# KiCad board Intro-to-CAD-2026 Shaina and Paola.kicad_pcb (continued)
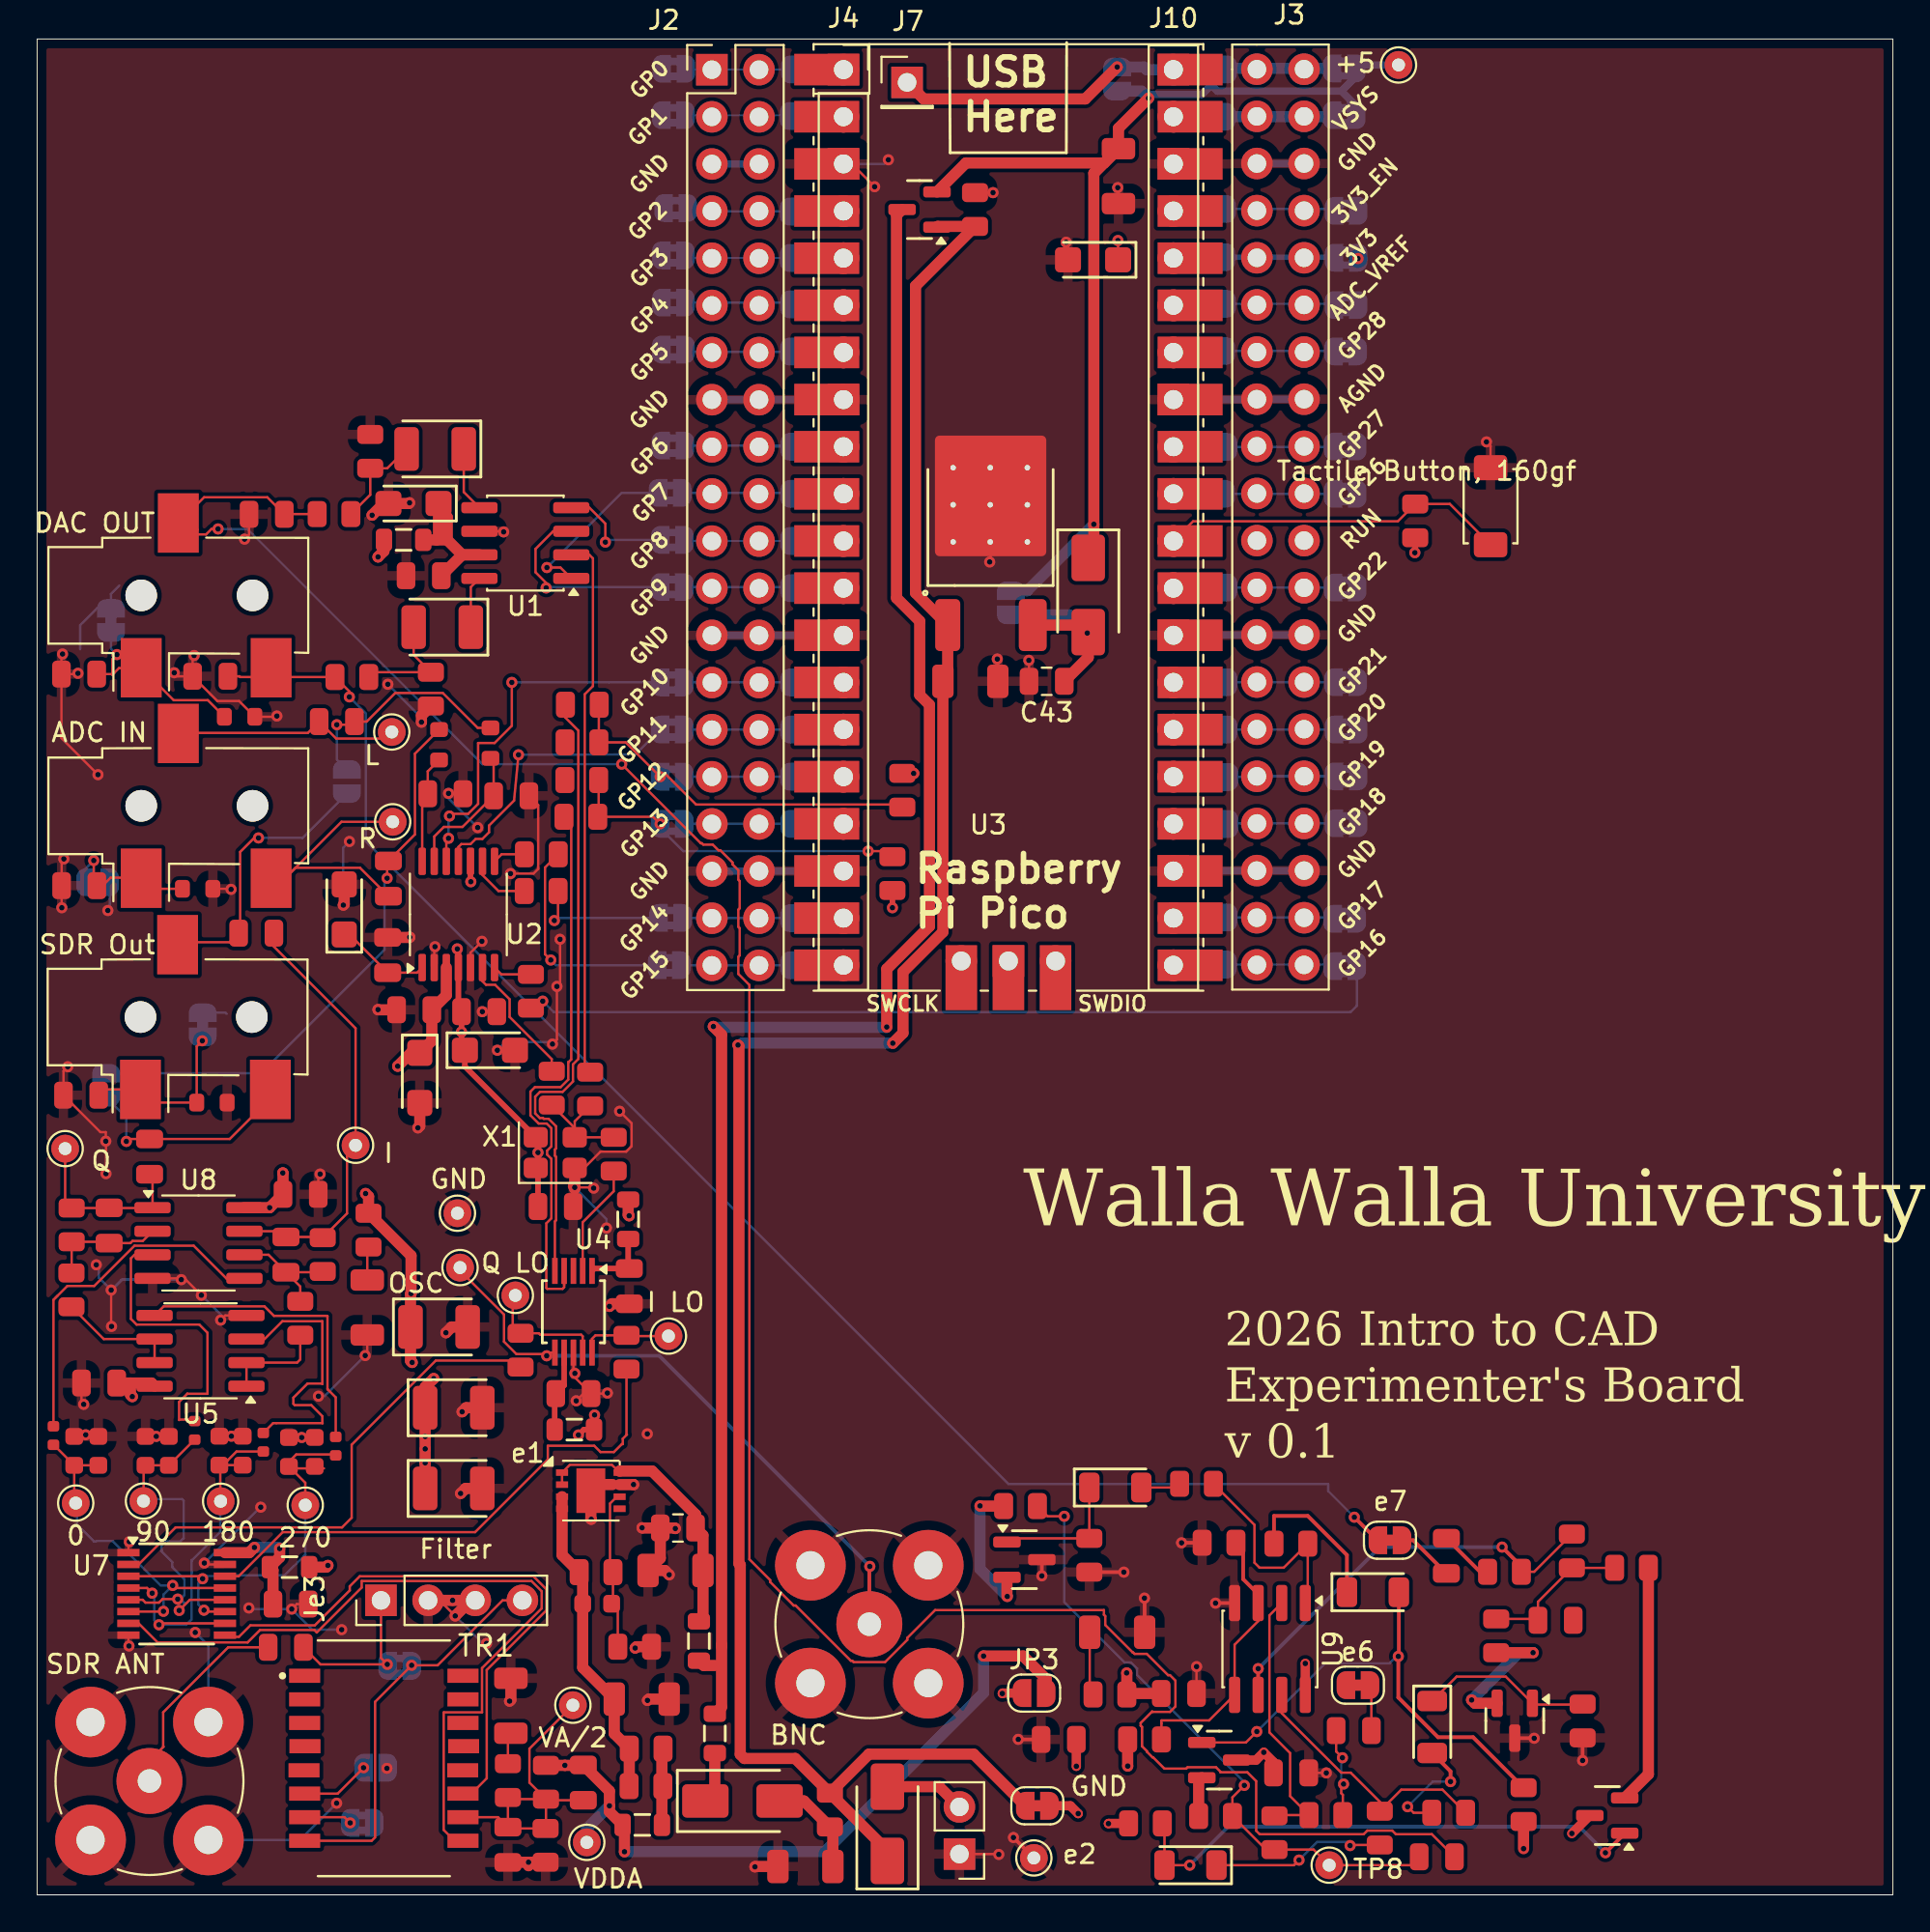
[diagram p0: board, top side]
## Routing (per net, layer and track width the routed paths; a pad name or vN(x,y) marks a point on that pad's centre or on a via; arc(x,y) is an arc through that point) (continued)
/SDIN: length 9.2
  Top w0.127: U1.1 28.2,71.52 v1(27.47,71.52)
  Bottom w0.127: JP75.2 31.49,75.54 v1(27.47,71.52)
/Si5351a/CLK2: length 33.5
  Top w0.127: TP5.1 22.79,33.64 25.16,31.27 25.16,29.81 25.83,29.14 27.36,29.14 v1(27.46,29.05) 27.46,29.06 27.62,29.22 U4.6
  Top w0.2: J8.1 44.84,17.67 v1(44.87,17.7)
  Bottom w0.127: 27.58,28.92 v1(27.46,29.05)
  Bottom w0.2: v1(44.87,17.7) 33.52,29.05 v1(27.46,29.05)
/WS: length 47.2
  Top w0.127: v1(27.25,48.16) 26.87,47.78 R16.2
  Bottom w0.127: JP34.1 71.11,47.9 70.78,47.57 27.83,47.57 v1(27.25,48.16)
VAH: length 119.2
  Top w0.6: R21.2 45.82,2.38 D2.1 ; R21.2 40.85,7.35 38.11,7.35 37.89,7.57 37.89,17.78 37.82,17.85 37.82,45.74 v1(37.77,45.79) ; R21.2 44.82,7.58 50.47,7.58 e2.2 ; v1(46.11,45.89) 46.66,46.44 46.66,49.73 48.81,51.88 C41.1 49.07,65.65 U6.1 47.33,70.16 47.33,86.69 R28.1 48.53,89.9 Q1.1
  Bottom w0.6: v1(46.11,45.89) 37.99,45.89 37.89,45.79 v1(37.77,45.79)
VAO: length 17.4
  Top w0.5: Q4.3 83.67,4.27 v2(82.7,3.31) ; U9.8 v2(68.34,12.47) ; C61.1 66.62,7.15 v2(66.1,7.68) 65.68,7.26 Q3.3 ; C63.1 v2(56,6.93) ; JP3.1 52.04,10.87 v2(52.01,10.85) ; 58.81,3.85 57.74,3.85 v2(57.73,3.84) ; e2.1 55.68,4.8 v2(56.1,4.38)
  Top w0.6: v2(58.77,6.94) 58.77,6.94 R53.2 58.72,8.42 ; C56.2 58.77,10.85 R39.1 58.72,11.95 v2(58.71,11.96) ; 80.1,3.95 v2(80.1,2.49)
Net-(C3-Pad2): length 12
  Top w0.127: TP1.1 18.75,62.3 16.12,62.3 C3.2 14.59,62.61 8.39,62.61 8.39,63.11
Net-(C4-Pad2): length 13.4
  Top w0.127: TP2.1 16.4,57.82 13.39,54.81 13.92,55.34 17.4,55.34 C4.2
Net-(C18-Pad2): length 23.3
  Top w0.127: U8.7 13.1,35.76 C18.2 15.35,35.45 R12.2 16.7,36.72 16.7,39.93 TP17.1 17.16,46.69 12.76,51.09 C29.1
Net-(C21-Pad2): length 9.6
  Top w0.127: C21.2 6.22,38.67 U8.1 6.2,37.01 R13.2 1.51,37.36 TP18.1
Net-(C33-Pad1): length 1.8
  Top w0.127: C33.1 17.79,34.84 R11.2
Net-(C34-Pad1): length 1.7
  Top w0.127: R10.2 25.37,8.55 C34.1
Net-(C35-Pad1): length 17.1
  Top w0.6: e1.3 28.29,18.31 R5.2 29.4,17.2 C40.1 29.4,12.25 C35.1 31.1,8.69 R7.1 31.91,5.87 R20.1
Net-(C42-Pad1): length 5.9
  Top w0.127: R21.1 42.72,3.46 42.88,3.3
  Top w0.6: D1.2 41.32,5.06 R21.1 42.88,3.5 C42.1
Net-(C46-Pad2): length 5.3
  Top w0.127: C46.2 18.87,76.87 R32.1 17.95,75.44 R22.1
Net-(C47-Pad2): length 6.5
  Top w0.127: C47.2 20.29,66.81 R31.1 18.13,65.88 R33.1 17.87,65.89
Net-(C54-Pad1): length 3.4
  Top w0.127: R39.2 56.72,10.98 C54.1
Net-(C57-Pad2): length 4.9
  Top w0.127: R44.2 70.36,5.39 70.27,5.47 70.27,5.85 v1(70.4,5.97) ; C57.2 70,7.73 v1(70.34,7.39)
  Bottom w0.127: v1(70.4,5.97) 70.27,6.1 70.27,7.32 v1(70.34,7.39)
Net-(C58-Pad2): length 3
  Top w0.2: R51.1 77.75,17.41 C58.2
Net-(C59-Pad1): length 33.7
  Top w0.127: C59.1 74.02,1.6 TP8.1 68.79,2.44 R45.2 66.22,2.44 R40.1 64.41,5.26 v1(65.05,5.9) ; R41.2 54.45,20.4 v1(55.35,20.4)
  Bottom w0.127: v1(55.35,20.4) 55.35,15.77 58.6,12.52 58.94,12.52 59.27,12.19 59.27,11.85 65.05,6.07 v1(65.05,5.9)
Net-(C59-Pad2): length 130.2
  Top w0.127: 7.61,73.67 7.97,73.31 9.11,73.31 9.4,73.6 v1(9.75,73.6) ; C59.2 75.15,3.27 73.22,3.27 73.02,3.46 71.68,3.46 71.48,3.27 65.88,3.27 65.69,3.45 65.69,6.13 65.21,6.61 63.76,6.61 63.76,6.64 63.53,6.88 61.99,6.88 61.92,6.8 60.74,6.8 60.14,7.41 60.1,7.41 59.81,7.7 59.81,7.74 59.54,8.01 59.54,9.05 59.47,9.12 59.47,9.26 60.08,9.88 60.1,9.86 61.05,9.86 61.34,10.15 61.34,11.55 61.05,11.84 60.94,11.84 59.8,12.99 59.13,12.99 59.06,13.06 59.04,13.06 57.56,14.54 57.56,15.02 57.49,15.09 57.49,15.34 48.39,15.34 46.89,13.84 46.89,13.74 45.69,12.54 44,12.54 43.93,12.62 43.85,12.62 40.87,15.59 40.77,15.59 39.5,16.86 39.5,16.96 38.38,18.08 38.38,49.03 37.79,49.62 37.79,50.55 37.86,50.62 37.86,52.09 37.79,52.16 37.79,53.09 37.86,53.16 37.86,54.63 37.79,54.7 37.79,55.21 37.47,55.52 37.47,55.63 36.82,56.28 36.72,56.28 36.41,56.59 35.9,56.59 35.83,56.66 35.76,56.66 v1(31.5,60.92)
  Bottom w0.127: v1(9.75,73.6) 11.33,73.6 24,60.92 v1(31.5,60.92)
Net-(C60-Pad1): length 8.2
  Top w0.127: R48.1 85,17.62 R50.2 80.87,15.79 80.87,14.79 80.8,14.87 R49.2
Net-(D1-Pad1): length 2.8
  Top w0.6: D1.1 36.52,5.57 FB2.2
Net-(D4-Pad1): length 8.3
  Top w0.2: R55.1 66.65,20.42 68.47,20.42 70.58,18.31 D4.1
Net-(D5-Pad2): length 2.1
  Top w0.127: D5.2 61.36,21.95 R62.2
Net-(D6-Pad1): length 9.4
  Top w0.127: v1(68,1.88) 67.73,1.6 D6.1 ; v1(70.75,2.66) 70.78,2.69 R54.1
  Bottom w0.127: v1(70.75,2.66) 70.56,2.85 68.98,2.85 v1(68,1.88)
Net-(D7-Pad2): length 6.3
  Top w0.127: R56.2 74.17,4.42 v1(73.85,4.75)
  Top w0.2: D7.2 76.16,6.66 v1(76.16,6.1)
  Bottom w0.127: v1(73.85,4.75) 75.2,6.1 v1(76.16,6.1)
Net-(e1-EN): length 15.2
  Top w0.127: e1.2 e1.1 28.7,23.17 30.97,23.17 e1.8
  Top w0.6: FB6.2 35.88,14.96 C5.1 35.88,19.37 C55.1 35.48,20.49 33.14,22.84 31.39,22.84 31.39,22.83
Net-(e1-SENSE/ADJ): length 8.6
  Top w0.127: e1.6 31.24,21.45 30.87,21.09 30.87,17.55 R5.1 31.03,15.76 C40.2 31.29,15.36 R6.1
Net-(e3-B): length 11.8
  Top w0.127: R19.1 9.2,64.37 7.36,64.37 J9.S 5.61,65.99 5.68,65.92 ; 4.17,65.86 4.05,65.74 4.05,66.58 v1(4.3,66.83) ; 4.17,65.86 4.09,65.78 C50.2 ; 4.17,65.86 4.41,66.1 6.42,66.1
  Bottom w0.127: v1(4.3,66.83) 3.98,67.15 e3.2
Net-(e4-B): length 8.2
  Top w0.127: J1.S 6.18,54.21 R14.1 ; 6.39,54.81 3.96,54.81 3.61,54.46 3.05,55.02 v1(3.05,55.73)
  Bottom w0.127: v1(3.05,55.73) 2.61,55.29 e4.2
Net-(e5-B): length 9.2
  Top w0.127: v1(8.9,46.02) 8.6,45.72 R30.1 6.28,42.69 J12.S 3.63,43.4 C52.2
Net-(e6-B): length 2.5
  Top w0.127: C57.1 71.9,11.22 e6.2
Net-(e7-A): length 3.1
  Top w0.2: C58.1 74.15,19.11 e7.1
Net-(e7-B): length 79.6
  Top w0.127: v1(16.83,64.55) 16.83,64.84 16.23,65.44
  Top w0.2: e7.2 72.22,19.11 v1(70.98,20.35)
  Bottom w0.127: v1(16.83,64.55) 17.71,63.67 17.71,56.77 52.34,22.14 69.57,22.14 69.57,21.76 v1(70.98,20.35)
Net-(FB5-Pad1): length 4.2
  Top w0.127: 33.72,7.87 R7.2 ; 33.67,5.81 R20.2
  Top w0.6: FB5.1 33.67,7.82 R7.2
Net-(J2-Pin_1): length 5.6
  Bottom w0.1: JP51.2 34.99,98.36
Net-(J2-Pin_2): length 5.6
  Bottom w0.1: 34.93,95.89 40.49,95.89
Net-(J2-Pin_10): length 5.8
  Bottom w0.127: JP75.1 40.51,75.54 JP58.2
Net-(J2-Pin_11): length 5.6
  Bottom w0.1: JP59.2 34.94,72.95
Net-(J2-Pin_12): length 5.7
  Bottom w0.127: JP77.1 40.5,70.47 JP60.2
Net-(J2-Pin_14): length 5.7
  Bottom w0.127: JP78.1 JP61.2
Net-(J2-Pin_15): length 5.7
  Bottom w0.127: JP79.1 38.89,62.79 J2.15 38.91,62.79 JP62.2
Net-(J2-Pin_16): length 5.7
  Bottom w0.127: JP80.1 JP63.2
Net-(J2-Pin_17): length 7.2
  Bottom w0.127: JP64.2 JP81.1 36.35,57.71 J2.17
Net-(J2-Pin_19): length 5.8
  Bottom w0.127: JP65.2 34.8,52.63 JP82.1
Net-(J2-Pin_20): length 5.9
  Bottom w0.127: JP66.2 40.55,50.08 J2.20 36.35,50.09 JP83.1
Net-(J2-Pin_32): length 7.2
  Bottom w0.1: 40.45,78.02 38.91,78.02
  Bottom w0.127: JP57.2 40.5,78.09 JP74.1
Net-(J2-Pin_34): length 11.2
  Bottom w0.1: 34.72,83.12 40.45,83.12 ; JP56.2 35.04,83.16
Net-(J2-Pin_35): length 5.7
  Bottom w0.127: JP55.2 40.46,85.79 34.93,85.79
Net-(J2-Pin_36): length 11.3
  Bottom w0.1: JP54.2 35.08,88.2 ; 40.51,88.2 34.7,88.2
Net-(J2-Pin_37): length 11
  Bottom w0.1: 40.51,90.72 34.81,90.72 ; JP53.2 35.25,90.7
Net-(J3-Pin_1): length 5.7
  Bottom w0.6: JP35.1 64.2,98.41 69.79,98.41
Net-(J3-Pin_2): length 5.7
  Bottom w0.6: 69.79,95.89 69.7,95.81 JP36.1
Net-(J3-Pin_10): length 5.8
  Bottom w0.127: JP42.1 JP27.2
Net-(J3-Pin_12): length 5.7
  Bottom w0.127: JP28.2 JP43.1
Net-(J3-Pin_14): length 5.7
  Bottom w0.127: JP44.1 JP29.2
Net-(J3-Pin_15): length 5.7
  Bottom w0.127: JP45.1 JP30.2
Net-(J3-Pin_16): length 9.8
  Bottom w0.127: JP46.1 65.69,60.23 65.73,60.26 JP31.2 69.88,60.27 J3.25
Net-(J3-Pin_17): length 5.7
  Bottom w0.127: JP47.1 64.26,57.73 J3.24 69.87,57.73 JP32.2
Net-(J3-Pin_19): length 5.7
  Bottom w0.127: JP48.1 69.73,52.67 JP33.2
Net-(J3-Pin_20): length 5.7
  Bottom w0.127: JP49.1 69.72,50.13 JP34.2
Net-(J3-Pin_32): length 5.7
  Bottom w0.127: JP26.2 69.81,78.02 JP41.1
Net-(J3-Pin_34): length 5.8
  Bottom w0.127: JP25.2 69.83,83.19 JP40.1
Net-(J3-Pin_35): length 5.8
  Bottom w0.127: JP24.2 69.82,85.73 JP39.1
Net-(J3-Pin_36): length 5.8
  Bottom w0.3: JP38.1 69.86,88.24 JP23.2
Net-(J3-Pin_37): length 5.8
  Bottom w0.127: JP22.2 69.79,90.84 JP37.1
Net-(J4-Pin_1): length 1.6
  Bottom w0.127: JP51.1 41.9,98.35 U3.1
Net-(J4-Pin_2): length 1.6
  Bottom w0.127: U3.2 43.41,95.85 JP52.1
Net-(J4-Pin_4): length 1.6
  Bottom w0.127: U3.4 43.42,90.7 JP53.1
Net-(J4-Pin_5): length 1.6
  Bottom w0.127: JP54.1 43.44,88.2 U3.5
Net-(J4-Pin_6): length 1.6
  Bottom w0.127: JP55.1 43.4,85.7 U3.6
Net-(J4-Pin_7): length 1.6
  Bottom w0.127: JP56.1 43.4,83.16 U3.7
Net-(J4-Pin_9): length 1.6
  Bottom w0.127: JP57.1 U3.9
Net-(J4-Pin_10): length 1.6
  Bottom w0.127: JP58.1 U3.10
Net-(J4-Pin_11): length 1.6
  Bottom w0.127: JP59.1 U3.11
Net-(J4-Pin_12): length 1.6
  Bottom w0.127: JP60.1 U3.12
Net-(J4-Pin_14): length 1.6
  Bottom w0.127: JP61.1 U3.14
Net-(J4-Pin_15): length 1.6
  Bottom w0.127: JP62.1 U3.15
Net-(J4-Pin_16): length 1.6
  Bottom w0.127: JP63.1 U3.16
Net-(J4-Pin_17): length 1.6
  Bottom w0.127: JP64.1 U3.17
Net-(J4-Pin_19): length 1.6
  Bottom w0.127: JP65.1 U3.19
Net-(J4-Pin_20): length 1.6
  Bottom w0.127: JP66.1 U3.20
Net-(J5-Pin_2): length 4.3
  Top w0.6: D2.2 48.61,5.83 J5.2
Net-(J10-Pin_1): length 15.5
  Top w0.6: v1(58.2,98.49) 56.48,96.77 47.77,96.77 J7.1
  Bottom w0.6: v1(58.2,98.49) 59.64,98.49 59.78,98.35 U3.40
Net-(J10-Pin_2): length 1.5
  Bottom w0.6: JP36.2 U3.39
Net-(J10-Pin_4): length 1.6
  Bottom w0.127: U3.37 62.68,90.73 JP37.2
Net-(J10-Pin_5): length 1.6
  Bottom w0.3: JP38.2 61.28,88.24 U3.36
Net-(J10-Pin_6): length 1.9
  Bottom w0.127: 63,85.57 62.84,85.73 JP39.2 62.71,85.65 U3.35
Net-(J10-Pin_7): length 1.6
  Bottom w0.127: U3.34 62.09,83.11 62.17,83.19 JP40.2
Net-(J10-Pin_9): length 1.6
  Bottom w0.127: JP41.2 62.86,78.03 U3.32
Net-(J10-Pin_10): length 1.5
  Bottom w0.127: U3.31 JP42.2
Net-(J10-Pin_12): length 1.7
  Bottom w0.127: U3.29 61.26,70.44 JP43.2
Net-(J10-Pin_14): length 1.6
  Bottom w0.127: U3.27 62.86,65.33 JP44.2
Net-(J10-Pin_15): length 1.6
  Bottom w0.127: JP45.2 U3.26
Net-(J10-Pin_16): length 1.7
  Bottom w0.127: U3.25 61.25,60.23 JP46.2
Net-(J10-Pin_17): length 1.7
  Bottom w0.127: JP47.2 61.24,57.7 U3.24
Net-(J10-Pin_19): length 1.7
  Bottom w0.127: JP48.2 62.84,52.63 U3.22
Net-(J10-Pin_20): length 1.6
  Bottom w0.127: JP49.2 61.27,50.13 U3.21
Net-(J11-In): length 11.1
  Top w0.127: C1.1 10.3,13.34 6.79,9.84 6.79,8 6.81,7.98 6.05,7.22 J11.1
Net-(JP1-B): length 2.6
  Top w0.127: TR1.7 16.56,4.18 v1(16.87,3.88)
Net-(JP2-A): length 10.9
  Top w0.6: U6.3 56.26,68.42 D3.2 56.64,66.68 C43.1
  Bottom w0.6: v1(56.59,67.99) 55.61,68.97 JP2.1
Net-(JP18-A): length 12.5
  Top w0.127: v1(16.15,63.05) 16.93,63.05 C3.1 17.76,63.22 19.3,64.76 21.86,64.76 23.74,62.88 R2.1
  Bottom w0.127: 16.58,60.68 16.62,60.64 JP18.1 16.15,61.18 v1(16.15,63.05)
Net-(JP19-B): length 30.8
  Top w0.127: v1(18.86,54.78) 18.86,55.64 C4.1 20.36,57.14 20.36,61.49 R3.1
  Bottom w0.127: v1(18.86,54.78) 18.72,54.64 18.72,50.93 12.06,44.27 JP19.2
Net-(JP86-A): length 8.6
  Top w0.127: Je3.1 18.53,12.76 v1(18.87,12.42) 15.27,12.42 C1.2
  Bottom w0.127: JP86.1 18.89,12.4 v1(18.87,12.42)
Net-(JP86-B): length 21.4
  Top w0.127: Je3.4 25.08,15.87 21.58,12.37 v1(20.18,12.37) 18.21,10.4 18.21,3.1 18.02,2.91 TR1.8
  Bottom w0.127: v1(20.18,12.37) 20.19,12.36 JP86.2
Net-(JP88-B): length 3.9
  Top w0.127: 14.42,5.56 TR1.6 16.19,5.45 v1(17.59,6.85)
Net-(Q1-D): length 93.6
  Top w0.6: 36.52,12.36 35.92,12.36 FB6.1 ; FB2.1 36.88,10.12 36.88,46.35 v1(36.44,46.79) ; Q1.3 46.31,90.51 46.31,69.88 47.56,68.63 47.56,64.65 48.08,64.13 48.08,52.19 45.78,49.89 v1(45.78,46.76)
  Bottom w0.6: v1(45.78,46.76) 45.76,46.74 36.49,46.74 v1(36.44,46.79)
Net-(Q2-B): length 7.3
  Top w0.127: D5.1 R43.1 52.46,19.21 Q2.1
Net-(Q2-E): length 7.8
  Top w0.2: 50.82,20.95 v1(50.81,20.96) ; 52.26,16.1 v1(52.28,16.08)
  Top w0.6: R41.1 50.82,20.95 ; Q2.2 52.26,16.1
  Bottom w0.6: v1(50.81,20.96) 50.81,17.55 v1(52.28,16.08)
Net-(Q3-B): length 27
  Top w0.127: v1(65.73,8.8) 65.14,8.21 Q3.1
  Top w0.2: R42.2 77.38,8.5 75.49,8.5 73.35,10.63 v1(73.35,12.85) 73.38,12.88 D4.2
  Bottom w0.127: v1(73.35,12.85) 73.25,12.85 72.87,12.47 69.4,12.47 v1(65.73,8.8)
Net-(Q3-E): length 2.1
  Top w0.6: R40.2 62.59,6.14 Q3.2
Net-(Q4-B): length 29
  Top w0.127: v1(62.11,1.6) D6.2 60.75,3.73 R46.2
  Top w0.2: v1(84.51,2.27) 85.55,3.31 Q4.1
  Bottom w0.2: v1(84.51,2.27) 83.1,3.68 64.19,3.68 v1(62.11,1.6)
Net-(Q4-E): length 12.9
  Top w0.6: R48.2 86.83,6.5 Q4.2
Net-(Q5-B): length 9.2
  Top w0.127: 83.2,10.25 80.64,10.25 Q5.1 79.14,11.76 76.49,11.76 D7.1
Net-(Q5-E): length 7.8
  Top w0.6: Q5.2 77.48,10.32 v1(77.3,10.5) ; R49.1 v1(80.61,13.05)
  Bottom w0.6: v1(80.61,13.05) 79.85,13.05 v1(77.3,10.5) 77.3,10.55
Net-(R54-Pad2): length 14.4
  Top w0.127: U9.7 67.07,9.79 70.27,6.59 70.78,6.59 72.35,5.02 R54.2 73.51,5.67 75.73,5.67 R56.1
Net-(R55-Pad2): length 11.9
  Top w0.127: R62.1 65.6,19.93 65.6,17.9 65.87,17.63 67.17,17.63 R55.2 68.47,15.86 68.34,15.72
Net-(TR1-C_RX): length 18.4
  Top w0.127: TR1.10 24.83,4.18 C20.2 ; C20.2 25.39,3.65 25.46,3.58 R4.2 27.42,3.6 R1.1 ; C20.2 R10.1 25.46,5.16 R1.1 ; R1.1 27.48,5.1 C32.2 ; R1.1 26.53,6.05 26.53,7.88 TP11.1
Net-(TR1-RX+): length 32.3
  Top w0.127: TR1.11 23.4,5.45 24.23,6.28 24.23,12.12 27.45,15.33 27.45,16.46 26.74,17.17 17.38,17.17 16.85,16.63 16.85,16.41 14.96,14.52 11.49,14.52 10.88,13.9 10.21,13.9 U7.9
Net-(TR1-RX-): length 42.1
  Top w0.127: U7.7 5.47,14.63 6.49,13.6 11.34,13.6 12.01,14.27 14.94,14.27 15.07,14.14 17.49,16.56 17.49,16.91 26.64,16.91 27.19,16.36 27.19,15.44 23.97,12.22 23.97,9.84 21.92,9.84 21.91,9.82 21.91,3.5 22.49,2.91 TR1.9
Net-(U1-AOUTL): length 2.8
  Top w0.127: C47.1 23.37,70.47 23.83,70.93
Net-(U1-AOUTR): length 3.5
  Top w0.127: 23.83,74.74 22.99,75.59 C46.1
Net-(U1-VDD): length 8.2
  Top w0.127: FB7.1 20.81,73
  Top w0.6: C12.1 22.91,72.2 ; 22.91,72.2 22.1,73.01 ; 22.91,72.2 23.83,72.2 ; 22.07,74.26 22.1,74.23 22.1,73.01 ; 22.1,73.01 21.52,73.01 ; 21.52,73.01 FB7.1 ; 21.52,73.01 21.63,73.12 C45.1
Net-(U2-BCK): length 1.8
  Top w0.127: R17.1 25.03,56.07 U2.8
Net-(U2-DOUT): length 3.3
  Top w0.127: U2.9 24,54.95 24.86,54.09 R18.1
Net-(U2-LRCK): length 2.1
  Top w0.127: R16.1 25.02,49.6 U2.7
Net-(U2-VINL): length 7.5
  Top w0.127: U2.13 21.4,57.03 21.92,57.54 22.92,57.54 C6.1 24.6,61.07 R2.2
Net-(U2-VINR): length 5.8
  Top w0.127: R3.2 21.05,60.54 C7.1 20.75,59.03 U2.14
Net-(U2-VREF): length 5.2
  Top w0.127: U2.1 20.47,49.69 C11.2 16.83,51.75 C44.1
Net-(U4-CLK0): length 5
  Top w0.127: TP3.1 31.8,30.11 R37.2 30.09,30.15 29.9,29.96 U4.10
Net-(U4-CLK1): length 6.8
  Top w0.127: 25.63,31.9 25.77,32.04 TP4.1 ; 25.63,31.9 25.63,30.68 R38.2 27.04,30.26 27.11,30.18 29.31,30.18 29.4,30.1 U4.9 ; 25.63,31.9 25.63,32.13
Net-(U4-VDD): length 3.7
  Top w0.3: FB4.1 31.85,33.81 C15.2 30.03,33.75 U4.1
Net-(U4-VDDO): length 4.1
  Top w0.127: 27.86,27.1 C38.2 27.89,26.95
  Top w0.3: U4.7 28.4,27.46 C38.2 ; FB1.2 27.89,26.54
Net-(U5A-+): length 35.4
  Top w0.127: v1(6.57,14.56) 6.64,14.63 10.12,14.63 ; 4.92,16.53 5.92,16.53 v1(6.2,16.26) ; 11.08,23.15 9.82,23.15 9.87,23.1 9.87,21.41 ; U5.3 12.25,29.95 13.21,30.91 15.37,30.91 15.37,27.53 15.35,27.55 14.57,27.55 13.81,26.79 13.81,26.46 13.88,26.39 14.77,26.39 15.37,25.79 15.37,25.43 15.38,25.42 15.38,25.42 12.72,25.42 R61.2
  Bottom w0.127: 8.32,17.33 8.32,18.05 ; 8.32,17.33 8.32,14.84 8.04,14.56 v1(6.57,14.56) 6.31,14.81 6.31,16.15 v1(6.2,16.26) ; 8.32,17.33 8.32,18.01 9.87,19.56 9.87,21.41
Net-(U5A--): length 5.6
  Top w0.127: U5.1 U5.2 14.01,28.68 14.18,28.85 R8.1
Net-(U5B-+): length 36.8
  Top w0.127: v1(8.99,15.34) 9.07,15.26 10.12,15.26 ; U5.5 6.82,31.71 12.25,31.71 12.76,31.2 15.63,31.2 15.65,31.18 15.65,27.25 15.68,27.21 ; R58.2 16.09,26.81 15.68,27.21 ; 15.77,27.12 15.68,27.21 ; v1(8.92,17.04) 8.78,17.17 4.92,17.17 ; 15.45,22.98 13.7,22.98 13.59,23.08 13.57,23.08 14.45,22.2 14.45,21
  Bottom w0.127: v1(8.99,15.34) 8.69,15.64 8.69,16.81 v1(8.92,17.04) 9.06,17.18 10.63,17.18 10.67,17.22 13.34,17.22 14.45,18.33 14.45,21
Net-(U5B--): length 6.5
  Top w0.127: U5.7 U5.6 3.59,29.95 R9.1
Net-(U7-1B1): length 18.9
  Top w0.127: 2,23.14 C16.1 ; 2,23.14 2,21.54 2.15,21.39 ; 2,23.14 0.96,24.19 ; v1(7.3,16.67) 7.44,16.53 U7.13 ; v1(6.81,15.28) 6.79,15.26 U7.6
  Bottom w0.127: 2.15,21.39 2.15,19.96 3.07,19.04 3.16,19.04 3.2,19.07 4.06,19.07 4.72,18.42 4.91,18.42 6.65,16.67 v1(7.3,16.67) 6.81,16.18 v1(6.81,15.28)
Net-(U7-1B2): length 20.7
  Top w0.127: 5.74,21.32 5.74,23.04 5.84,23.14 C25.1 8.34,24.39 8.59,24.39 ; U7.5 5.69,15.9 5.84,15.75 6.57,15.75 6.75,15.94 v1(7.58,15.94) ; v1(7.66,15.33) 8.23,15.9 U7.12
  Bottom w0.127: 7.73,15.94 v1(7.58,15.94) ; 7.73,15.94 7.94,15.73 7.94,15.61 v1(7.66,15.33) ; 7.73,15.94 7.94,16.14 7.94,17.01 7.29,17.66 7.29,17.93 6.68,18.54 6.71,18.57 6.71,18.9 6.86,19.05 7.73,19.05 7.9,19.22 7.9,21.24 7.81,21.32 5.74,21.32
Net-(U7-1B3): length 2.6
  Top w0.127: R61.1 10.74,23.89 10.26,23.41 9.82,23.41
Net-(U7-1B4): length 2.7
  Top w0.127: 13.57,23.34 13.96,23.73 16.04,23.73 R58.1
Net-(U7-VCC): length 7.3
  Top w0.127: 12.88,18 FB3.1 12.54,18.14
  Top w0.6: U7.16 11.43,18.44 v1(11.71,18.72) ; v1(13.07,18.66) 13.07,18.19 FB3.1 12.71,17.49 C23.2
  Bottom w0.6: v1(13.07,18.66) 13.01,18.72 v1(11.71,18.72)
Net-(U8A-+): length 15.9
  Top w0.127: 8.59,25.61 7.67,25.61 7.65,25.59 7.65,26.56 8.09,27 8.1,27 9.18,27 9.18,30.29 8.74,30.73 5.36,30.73 5.05,31.03 5.05,34.3 5.25,34.49 U8.3
Net-(U8A--): length 6.3
  Top w0.127: U8.2 5.7,35.24 5.14,35.24 5.03,35.12 C28.1 3.87,35.12 3.8,35.19 R13.1 1.86,33.52 R9.2
Net-(U8B-+): length 19.3
  Top w0.127: R60.2 0.88,32.06 1.11,32.3 ; 0.96,32.14 1.63,32.81 3.08,32.81 5.25,34.98 8.43,34.98 10.2,33.22 U8.5
Net-(U8B--): length 6.5
  Top w0.127: C18.1 15.35,33.55 R12.1 ; C18.1 14.18,32.78 R8.2 ; C18.1 12.47,34.49 U8.6
Net-(U9A--): length 14.5
  Top w0.127: R45.1 66.71,4.3 R44.1 67.52,5.32 67.52,7.64 66.4,8.76 66.4,15.06 67.07,15.72
Net-(U9B--): length 22.7
  Top w0.127: 82.62,19.51 R50.1 80.67,17.41 R51.2
  Top w0.2: R51.2 79.98,17.7 v1(78.94,18.74) ; v1(65.8,12.19) 65.8,12.19 U9.6
  Bottom w0.2: v1(65.8,12.19) 72.35,18.74 v1(78.94,18.74)
Net-(X1-OUT): length 6.5
  Top w0.127: 27.78,42.51 R35.1 28.97,41.32 X1.3 ; R34.2 28.97,41.68 X1.3 ; X1.3 R36.2
unconnected-(U3-SWCLK-Pad41): length 0.5
  Bottom w0.127: 49.8,50.32 50.32,50.32

## Copper pours and planes (outline as drawn; the poured copper is in the pictures)
+3.3V on In2.Cu: 0.01,100 99.8,99.68 99.84,29.02 50.43,28.87 50.58,7.52 51.78,7.52 51.94,-0.02 44.04,0.09 43.89,7.29 36.35,7.57 36.28,21.12 32.6,21.77 32.52,25.74 25.07,25.91 23.91,38.17 23.82,47.59 21.88,44.54 21.73,56.39 25.1,59.22 25.55,63.81 0.1,64.31
GND on Top, Bottom, In1.Cu: 0.02,99.96 100.02,99.96 100.02,-0.04 0.02,-0.04
VDDA on In2.Cu: 0,0 52,0 50.61,0.02 44.04,0.09 43.89,7.29 36.41,7.59 36.28,21.12 32.6,20.97 32.52,25.74 25.07,25.91 23.91,38.17 23.82,47.59 21.88,44.54 21.73,56.39 25.1,59.22 25.55,63.81 0.1,64.31 -0.01,64.32 0,64.31
VAO on In2.Cu: 50.43,28.87 99.84,29.02 99.84,0.06 52,0 51.78,7.52 50.58,7.52

## Text on the board
B.Silkscreen: GP0 / GP1 / GND / GP2 / GP3 / GP4 / GP5 / GND / GP6 / GP7 / GP8 / GP9 / GND / GP10 / GP11 / GP12 / GP13 / GND / GP14 / GP15 | VBUS / VSYS / 3V3_EN / 3V3 / VREF / GP28 / AGND / GP27 / GP26 / RUN / GP22 / GND / GP21 / GP20 / GP19 / GP18 / GND / GP17 / GP16 | 2026 Intro to CAD / Experimenter's Board / v 0.1 | Walla Walla University
F.Silkscreen: Raspberry / Pi Pico | USB / Here | 2026 Intro to CAD / Experimenter's Board / v 0.1 | Walla Walla University
